# Altium PCB R32-Micro.PcbDoc (part 2 of 3)
Units mm, origin at the board's own origin, x right, y up, seen from the top; angles counter-clockwise.
Board outline 100 x 60 mm, 4 copper layers (Component Side, Ground Plane, Power Plane, Solder Side), stack 0.844 mm thick; 220 components, 197 nets, 1071 pads, 542 vias.
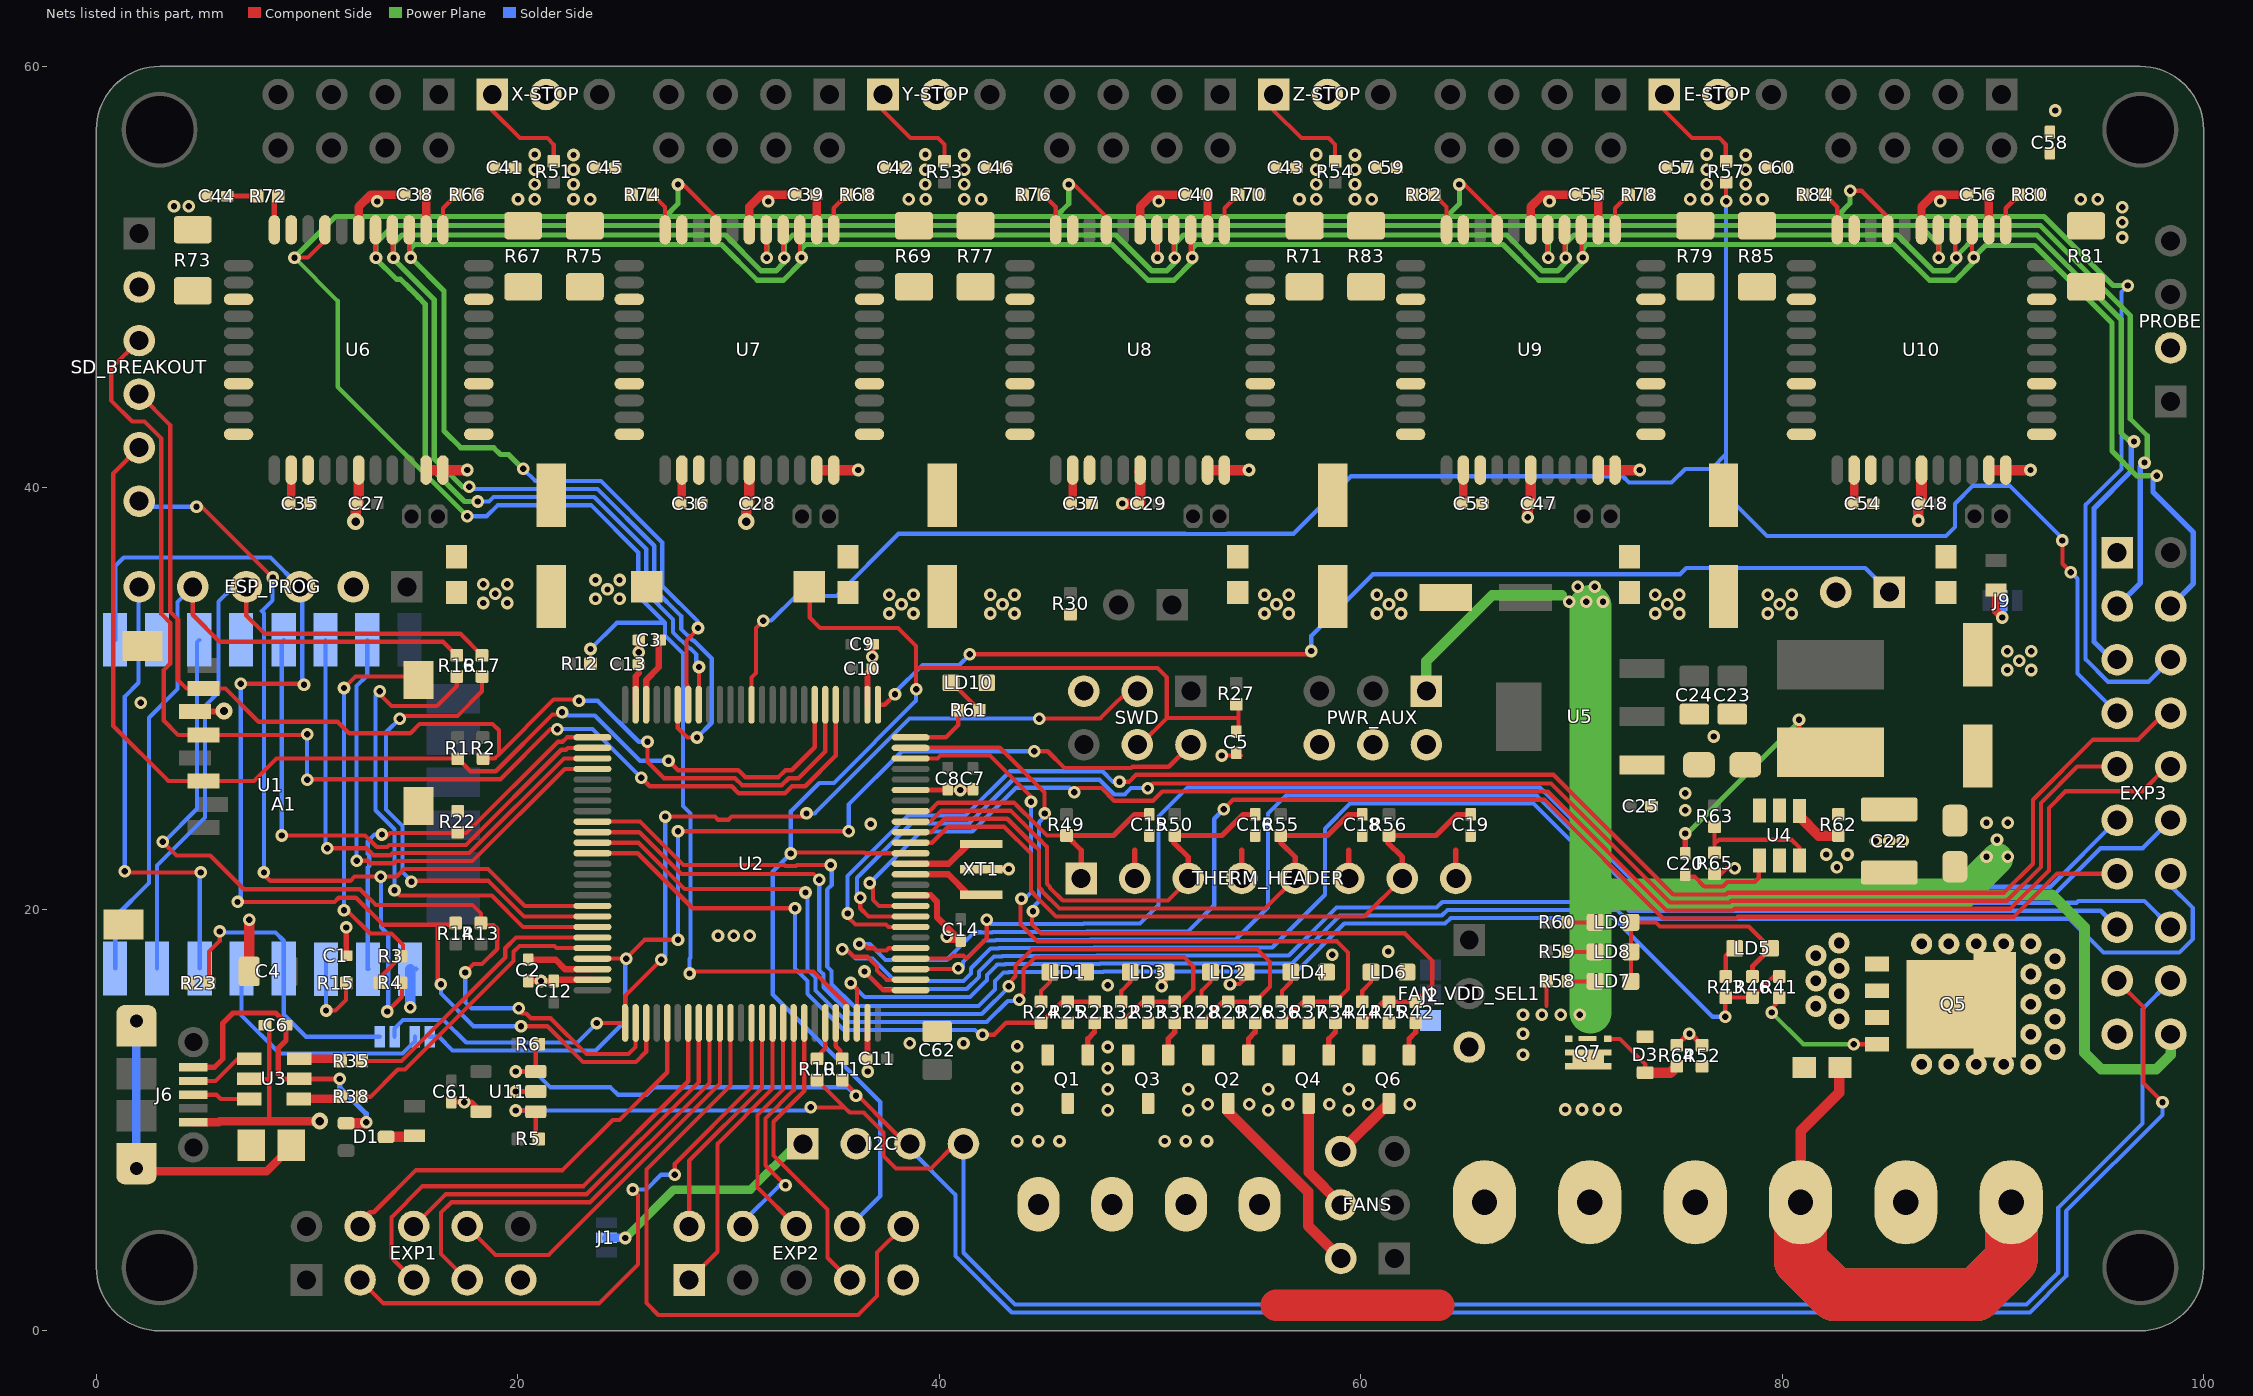
[diagram p4: the nets of this part, all layers, seen from the top]

## Via types
v1: diameter 0.6, hole 0.3, Component Side to Solder Side, tented both sides, 399 vias
v2: diameter 0.8, hole 0.4, Component Side to Solder Side, tented both sides, 132 vias
v3: diameter 1, hole 0.5, Component Side to Solder Side, tented both sides, 11 vias

## Nets (pads, with @x,y where several pads share a name; then routed paths per layer and width w, separated by ;. In a path a pad name is that pad's centre, name@x,y a point inside that pad or via, vN(x,y) a via of type N, cw(c..) or ccw(c..) an arc to the next point about the centre after c; other vN are vias at no path point) (continued)
E2_CS: EXP3.10 U2.9 | length 73.9
  Component Side w0.2: v1(36.7,21.25) 36.85,21.1 36.85,20.45 37.14,20.16 U2.9@38.64,20.16 ; v1(46.4,25.55) 46.6,25.75 47.7,25.75 48.3,25.15 50.149,25.15 50.582,25.584 68.879,25.584 74.518,19.944 77.655,19.944 77.74,20.03 90.843,20.03 92.66,21.847 92.66,24.81 93.45,25.6 97.1,25.6 98.27,26.77 EXP3.10@98.44,26.77
  Solder Side w0.2: v1(36.7,21.25) 39.14,23.69 41.565,23.69 43.645,25.77 46.18,25.77 v1(46.4,25.55)
E2_DIR: EXP3.9 U2.8 | length 73.1
  Component Side w0.2: v1(36.25,20.55) 36.25,20.05 36.64,19.66 U2.8@38.64,19.66 ; v1(49.9,25.75) 50.114,25.964 69.036,25.964 74.676,20.324 77.497,20.324 77.583,20.41 90.685,20.41 92.28,22.005 92.28,25.043 94.007,26.77 EXP3.9@95.9,26.77
  Solder Side w0.2: v1(36.25,20.55) 36.1,20.7 36.1,21.499 38.671,24.07 41.407,24.07 43.487,26.15 47.601,26.15 48.301,25.45 48.799,25.45 49.099,25.75 v1(49.9,25.75)
E2_STEP: EXP3.8 U2.7 | length 78
  Component Side w0.2: v1(35.651,19.8) 35.651,19.649 36.02,19.28 37.469,19.28 37.589,19.16 U2.7@38.64,19.16 ; v1(48.55,26.05) 49,26.05 49.333,26.383 69.154,26.383 74.833,20.704 77.34,20.704 77.426,20.79 90.528,20.79 91.9,22.162 91.9,25.2 94.75,28.05 96.9,28.05 98.16,29.31 EXP3.8@98.44,29.31
  Solder Side w0.2: v1(35.651,19.8) 35.65,19.801 35.65,21.586 38.514,24.45 41.25,24.45 43.35,26.55 47.739,26.55 48.239,26.05 v1(48.55,26.05)
E3_CS: EXP3.13 U2.5 | length 71.4
  Component Side w0.2: v1(36.2,18.35) 36.4,18.35 36.6,18.15 36.901,18.15 37.001,18.05 37.499,18.05 37.599,18.15 38.63,18.15 U2.5@38.64,18.16 ; v1(53.5,24.75) 53.954,25.204 68.722,25.204 74.361,19.564 77.812,19.564 77.898,19.65 91,19.65 93.04,21.69 EXP3.13@95.9,21.69
  Solder Side w0.2: v1(36.2,18.35) 36.701,18.35 37.451,17.6 40.35,17.6 41.657,18.907 41.995,18.907 42.001,18.9 42.499,18.9 42.519,18.92 46.984,18.92 47.014,18.95 51.8,18.95 53.05,20.2 53.05,24.3 v1(53.5,24.75)
E3_DIR: EXP3.12 U2.3 | length 69.4
  Component Side w0.2: U2.3@38.64,17.16 40.86,17.16 v1(40.9,17.2)
  Solder Side w0.2: v1(40.9,17.2) 41.05,17.2 41.12,17.27 41.12,17.495 42.104,18.479 42.117,18.479 42.159,18.52 42.656,18.52 42.676,18.54 47.142,18.54 47.172,18.57 54.07,18.57 55.6,20.1 55.6,24.55 56.45,25.4 68.35,25.4 73.06,20.69 92.897,20.69 95.107,22.9 97.11,22.9 EXP3.12@98.44,24.23
E3_STEP: EXP3.11 U2.4 | length 67.2
  Component Side w0.2: U2.4@38.64,17.66 40.511,17.66 40.651,17.8 41.149,17.8 41.289,17.66 41.31,17.66 42.25,18.6 v1(42.25,19.5)
  Solder Side w0.2: v1(42.25,19.5) 42.45,19.3 46.827,19.3 46.857,19.33 49.53,19.33 50.4,20.2 50.4,24.4 51.78,25.78 68.507,25.78 73.217,21.07 92.74,21.07 EXP3.11@95.9,24.23
E4_CS: EXP3.16 U2.2 | length 75.4
  Component Side w0.2: v1@35.601,18.1 35.951,17.75 36.599,17.75 37.05,17.299 37.05,17.1 37.49,16.66 U2.2@38.64,16.66
  Solder Side w0.2: v1(35.4,18.1) 35.602,18.1 36.031,17.67 36.83,17.67 37.9,16.6 39.85,16.6 41.149,16.6 41.5,16.951 41.5,17.2 42.44,18.14 42.813,18.14 42.833,18.16 47.299,18.16 47.329,18.19 55.803,18.19 58.3,20.687 58.3,23.82 59.5,25.02 68.192,25.02 72.902,20.31 93.965,20.31 94.055,20.4 97.19,20.4 EXP3.16@98.44,19.15
E4_DIR: EXP3.15 U2.1 | length 64.7
  Component Side w0.2: v1(36.45,17.05) 37.34,16.16 U2.1@38.64,16.16
  Solder Side w0.2: v1(36.45,17.05) 37.28,16.22 41.306,16.22 41.88,16.794 41.88,17.043 42.597,17.76 42.971,17.76 42.991,17.78 47.457,17.78 47.487,17.81 56.585,17.81 58.855,20.08 63.6,20.08 63.872,20.352 72.323,20.352 72.745,19.93 95.12,19.93 EXP3.15@95.9,19.15
E4_STEP: EXP3.14 U2.98 | length 72.7
  Component Side w0.2: v1(35.8,16.5) 36.09,16.21 U2.98@36.09,14.61
  Solder Side w0.2: v1(35.8,16.5) 36.46,15.84 41.463,15.84 42.26,16.637 42.26,16.885 42.755,17.38 43.128,17.38 43.148,17.4 47.614,17.4 47.644,17.43 56.743,17.43 59.013,19.7 63.847,19.7 64.119,19.972 72.165,19.972 72.587,19.55 93.65,19.55 95.25,17.95 98.85,17.95 99.49,18.59 99.49,20.06 98.386,21.164 98.15,21.4 EXP3.14@98.44,21.69
E_STOP: EXP3.7 R57.1 U2.38 | length 97.5
  Component Side w0.2: U2.38@31.09,29.71 31.09,31 31.3,31.21 31.3,33.35 v1(31.65,33.7) ; v1(77.342,53.6) R57.1@77.342,54.5 ; v1(93.3,37.5) 93.3,36.4 v1(93.7,36)
  Solder Side w0.2: v1(31.65,33.7) 32.027,33.7 33.197,34.87 35.118,34.87 38.072,37.824 51.67,37.824 51.689,37.805 53.658,37.805 53.673,37.82 56.807,37.82 59.537,40.55 72.436,40.55 72.736,40.25 74.751,40.25 75.401,40.9 76.642,40.9 77.342,41.6 ; v1(77.342,53.6) 77.342,41.6 ; v1(93.3,37.5) 93.4,37.4 93.5,37.4 90.796,40.104 89.055,40.104 88.2,39.249 88.2,38.142 87.778,37.72 79.28,37.72 77.342,39.658 77.342,41.6 ; v1(93.7,36) 94.015,35.685 94.015,31.195 EXP3.7@95.9,29.31
ESP_ADC: A1.2
ESP_DATA_RDY: A1.18 J4.2 R23.2 | length 14.4
  Component Side w0.2: R23.2@5.35,16.5 5.35,18 5.85,18.5 v1(5.85,18.95)
  Solder Side w0.2: v1(5.85,18.95) 5.9,18.9 8.5,18.9 8.893,18.507 A1.18@8.893,17.191 8.893,15.007 9.95,13.95 J4.2@13.45,13.95
ESP_EN: A1.3 R13.1 U2.77 | length 43
  Component Side w0.2: v1(3.15,23.2) 3.8,22.55 5.4,22.55 7,20.95 12.51,20.95 13.26,20.2 17.85,20.2 18.25,19.8 R13.1@18.25,19.35 18.35,19.25 18.85,19.25 19.02,19.08 19.02,18.123 18.297,17.4 17.9,17.4 v1(17.5,17) ; v1(20.05,15.3) 20.05,15.2 20.2,15.05 20.399,15.05 20.619,14.83 21.557,14.83 23.257,13.13 25.25,13.13 25.59,13.47 U2.77@25.59,14.61
  Solder Side w0.2: v1(3.15,23.2) 3.2,23.2 4.77,24.77 4.77,32.677 A1.3@4.879,32.786 ; v1(17.5,17) 17.5,15.6 17.8,15.3 v1(20.05,15.3)
ESP_GPIO5: A1.20 ESP_PROG.6 | length 22
  Component Side w0.2: v1(1.35,21.8) 1.4,21.75 v1(4.95,21.75)
  Solder Side w0.2: v1(1.35,21.8) 1.35,30.1 2.001,30.751 2.001,35.306 ESP_PROG.6@2.032,35.306 ; A1.20@4.905,17.191 4.905,21.705 v1(4.95,21.75)
ESP_GPIO16: A1.4
ESP_RST: A1.1 ESP_PROG.3 R14.1 U2.78 | length 58.2
  Component Side w0.2: v1(6.7,20.35) 11.301,20.35 11.501,20.55 12.313,20.55 13.593,19.27 16.2,19.27 ; v1(6.85,30.7) 9.8,30.7 v1(9.85,30.65) ; v1(16.35,16.45) 16.2,16.6 16.2,19.27 ; R14.1@17.05,19.35 16.97,19.27 16.2,19.27 ; v1(20.15,14.45) 21.4,14.45 23.1,12.75 25.6,12.75 26.09,13.24 U2.78@26.09,14.61
  Solder Side w0.2: A1.1@0.892,32.786 0.892,36.292 1.3,36.7 8.258,36.7 ESP_PROG.3@9.652,35.306 9.764,35.306 9.764,30.736 v1(9.85,30.65) ; v1(6.7,20.35) 6.85,20.5 v1(6.85,30.7) ; v1(16.35,16.45) 16.35,16 17.9,14.45 v1(20.15,14.45)
ESP_RX: R16.2 U2.69 | length 25
  Component Side w0.2: v1(13.45,30.35) 13.45,30.2 14,29.65 16.15,29.65 17.1,30.6 R16.2@17.1,31.05 ; v1(14.15,20.9) 14.4,20.65 18.763,20.65 20.253,19.16 U2.69@23.54,19.16
  Solder Side w0.2: v1(13.45,30.35) 13.25,30.15 13.25,24.698 14.15,23.798 14.15,20.849 v1(14.15,20.9)
ESP_RXD0: A1.21 ESP_PROG.4 R17.1 | length 33.6
  Component Side w0.2: ESP_PROG.4@7.112,35.306 7.112,33.938 7.97,33.08 17.27,33.08 R17.1@18.3,32.05
  Solder Side w0.2: A1.21@2.873,17.191 2.873,22.073 5.15,24.35 5.15,29.65 5.8,30.3 5.8,34.6 6.506,35.306 ESP_PROG.4@7.112,35.306
ESP_SPI_CS: A1.16 R22.2 U2.51 | length 19.1
  Component Side w0.2: v1(13.55,23.55) 13.55,23.45 13.761,23.45 13.931,23.62 17.57,23.62 21.9,27.95 22.124,27.95 22.334,28.16 U2.51@23.54,28.16
  Solder Side w0.2: A1.16@12.9,17.165 A1.16@12.88,17.165 12.88,21.982 12.95,22.051 12.95,22.549 12.88,22.618 12.88,23.23 13.2,23.55 v1(13.55,23.55) v1@13.65,23.55
ESP_TX: R17.2 U2.68 | length 23
  Component Side w0.2: v1(14.4,29.05) 14.4,29.1 14.48,29.18 17.13,29.18 18.3,30.35 R17.2@18.3,31.05 R17.2@18.35,31 ; v1@14.95,21.35 18.6,21.35 20.29,19.66 U2.68@23.54,19.66
  Solder Side w0.2: v1(14.4,29.05) 13.75,28.4 13.75,24.736 14.53,23.956 14.53,21.77 v1@14.95,21.35
  other v1: 14.95,21.3
ESP_TXD0: A1.22 ESP_PROG.5 R16.1 | length 34.3
  Component Side w0.2: ESP_PROG.5@4.572,35.306 4.572,33.978 5.85,32.7 16.45,32.7 R16.1@17.1,32.05
  Solder Side w0.2: A1.22@0.892,17.191 0.892,19.649 2.493,21.25 2.493,29.093 3.85,30.45 3.85,34.584 ESP_PROG.5@4.572,35.306
F0_PWM: R26.1 R28.2 R29.1 U2.60 | length 45.7
  Component Side w0.2: U2.60@23.54,23.66 25.765,23.66 27.755,21.67 34.03,21.67 v1(34.3,21.4) ; v1@43.35,16.55 43.62,16.82 43.62,17.324 44.396,18.1 55.1,18.1 55.7,17.5 55.7,16.322 R26.1@54.991,15.613 R29.1@53.721,15.613 53.451,15.613 R28.2@52.451,14.613
  Solder Side w0.2: v1(34.3,21.4) 34.3,17.123 34.51,16.913 34.51,16.303 35.783,15.03 42.017,15.03 43.35,16.363 v1@43.35,16.55
  other v1: 43.3,16.35
F1_PWM: R34.1 R36.2 R37.1 U2.23 | length 34.5
  Component Side w0.2: U2.23@38.64,27.16 39.915,27.16 40.055,27.3 42.4,27.3 44.35,25.35 v1(44.35,25.1) ; v1(43.9,20.5) 43.85,20.45 43.85,19.295 44.665,18.48 58.868,18.48 59.4,17.948 59.4,16.212 R34.1@58.801,15.613 R37.1@57.531,15.613 57.261,15.613 R36.2@56.261,14.613
  Solder Side w0.2: v1@43.975,20.425 44.35,20.8 v1(44.35,25.1)
F2_PWM: R42.1 R44.2 R45.1 U2.24 | length 38.7
  Component Side w0.2: U2.24@38.64,27.66 38.64,27.68 42.871,27.68 45,25.551 v1(45,24.55) ; v1@44.4,19.7 44.4,19.283 44.823,18.86 62.09,18.86 63.4,17.55 63.4,16.402 R42.1@62.611,15.613 R45.1@61.341,15.613 61.071,15.613 R44.2@60.071,14.613
  Solder Side w0.2: v1@44.4,19.7 44.4,20.05 44.73,20.38 44.73,24.13 45,24.4 v1(45,24.55)
  other v1: 44.45,19.9
GND: A1.15 C1.1 C2.1 C3.1 C4.1 C5.1 C6.1 C7.1 C8.1 C9.1 C10.1 C11.1 C12.1 C13.1 C14.1 C15.1 C16.1 C18.1 C19.1 C21.2 C22.1 C23.1 C24.1 C25.1 C26.2 C27.1 C28.1 C29.1 C30.1 C31.2 C32.1 C33.2 C34.1 C38.1 C39.1 C40.1 C41.1 C42.1 C43.1 C44.1 C45.1 C46.1 C47.1 C48.1 C49.1 C50.2 C51.1 C52.2 C55.1 C56.1 C57.1 C58.1 C59.1 C60.1 C61.1 C62.1 D4.A E-STOP.2 ESP_PROG.2 EXP1.9 EXP2.9 EXP3.1 EXP3.19 I2C.2 J6.GND L1.2 LD1.2 LD2.2 LD3.2 LD4.2 LD5.2 LD6.2 LD7.2 LD8.2 LD9.2 LD10.2 MAIN-PWR1.1 PROBE.2 PS_ON.2 PWR_AUX.2 PWR_AUX.4 PWR_AUX.6 Q1.2 Q2.2 Q3.2 Q4.2 Q6.2 R22.1 R23.1 R25.2 R29.2 R30.1 R33.2 R37.2 R45.2 R46.2 R52.1 R64.1 R65.1 R67.1 R69.1 R71.1 R73.1 R75.1 R77.1 R79.1 R81.1 R83.1 R85.1 S1.2 SD_BREAKOUT.2 SWD.5 THERM_HEADER.2 THERM_HEADER.4 THERM_HEADER.6 THERM_HEADER.8 U1.6 U1.CD2 U1.MT1 U1.MT2 U2.10 U2.20 U2.27 U2.49 U2.74 U2.99 U3.2 U4.2 U5.GND U6.17 U6.21 U6.39 U6.43 U6.44 U7.17 U7.21 U7.39 U7.43 U7.44 U8.17 U8.21 U8.39 U8.43 U8.44 U9.17 U9.21 U9.39 U9.43 U9.44 U10.17 U10.21 U10.39 U10.43 U10.44 U11.2 U11.5 X-STOP.2 XT1.2 Y-STOP.2 Z-STOP.2 | length 104.7
  Component Side w0.2: U3.2@7.25,11.95 8.15,11.95 8.2,12 ; 8.2,9.95 8.2,12 ; C6.1@8.2,14.5 8.2,12 ; C1.1@11.7,17.8 C1.1@11.86,17.8 ; v1@50.5,16.35 50.761,16.611 LD3.2@50.761,17.018 ; v1(53.4,27.3) 54.325,27.3 C5.1@54.2,27.425 ; v1(53.8,16.45) 54.25,16.45 54.571,16.771 LD2.2@54.571,17.018 ; LD7.2@72.821,16.58 LD8.2@72.821,17.98 LD9.2@72.821,19.38 74.008,19.38 74.203,19.184 78.416,19.184 LD5.2@79.45,18.15 ; R65.1@76.793,21.584 76.993,21.584 77.359,21.95 v1(77.75,21.95)
  Component Side w0.25: C1.1@11.86,17.8 v1(11.86,19.14) v1@11.86,19.19 ; C61.1@16.85,10.85 17.8,10.85 U11.5@18.25,10.4 ; v1(19.9,11.35) U11.2@20.85,11.35 ; U2.20@38.64,25.66 v1(41,25.66) 41.46,25.66 C7.1@41.5,25.7 ; THERM_HEADER.2@49.276,21.463 49.276,22.804 ; THERM_HEADER.4@54.356,21.463 54.356,22.804 ; THERM_HEADER.6@59.436,21.463 59.436,22.804 ; THERM_HEADER.8@64.516,21.463 64.516,22.804 ; R64.1@75,13.55 v1@75.6,14.15 ; v1(75.6,14.1) v1@75.6,14.15 ; R52.1@76.2,13.55 75.625,14.125 v1@75.6,14.15 ; R46.2@78.595,16.81 78.595,17.295 LD5.2@79.45,18.15
  Component Side w0.3: U1.6@4.68,29.388 v2@6.078,29.388 ; C2.1@20.7,16.6 v1(21.1,16.6) C12.1@21.7,16.6 21.7,16.66 U2.74@23.54,16.66 ; U2.49@25.59,29.71 25.59,31.059 25.75,31.219 25.75,31.608 C13.1@25.74,31.618 v1(25.74,32.199) C3.1@25.74,32.78 C3.1@25.84,32.78 ; C11.1@36.425,12.9 C11.1@36.475,12.85 ; C11.1@36.525,12.9 36.525,12.325 v1@36.55,12.3 ; C11.1@36.59,12.9 U2.99@36.59,14.61 ; U2.27@36.59,29.71 36.59,31.194 36.816,31.42 v1(36.816,31.98) 36.816,32.546 C9.1@36.84,32.57 ; U2.10@38.64,20.66 39.597,20.66 39.89,20.367 39.89,19.624 C14.1@40.964,18.55 ; v1(40.35,18.7) 40.5,18.55 C14.1@40.964,18.55 ; C14.1@41.01,18.52 40.994,18.52 C14.1@40.964,18.55 ; XT1.2@41.706,21.91 v1@42.99,21.91
  Component Side w0.4: J6.GND@4.6,9.9 5.8,9.9 5.85,9.95 8.2,9.95 v2(10.6,9.95) ; U6.39@12.446,40.845 U6.39@12.446,40.909 ; U6.17@12.446,52.245 12.446,53.34 13.018,53.911 C38.1@14.613,53.911 ; U7.39@30.988,40.845 U7.39@30.988,40.909 ; U7.17@30.988,52.245 30.988,53.34 31.56,53.911 C39.1@33.155,53.911 ; U8.39@49.45,40.765 U8.39@49.53,40.845 ; U8.17@49.53,52.245 49.53,53.34 50.102,53.911 C40.1@51.697,53.911 ; U9.39@68.072,40.845 U9.39@68.072,40.909 ; U9.17@68.072,52.245 68.072,53.34 68.644,53.911 C55.1@70.239,53.911 ; U10.39@86.614,40.845 U10.39@86.614,40.909 ; U10.17@86.614,52.245 86.614,53.34 87.186,53.911 C56.1@88.781,53.911 ; U8.39@49.53,40.845 49.53,40.909 U8.39@49.53,40.845
  Component Side w0.5: C4.1@7.25,17.05 v1(7.25,19.5) ; v2(12.3,38.4) 12.3,39.216 C27.1@12.327,39.243 ; C27.1@12.365,39.243 12.446,39.324 U6.39@12.446,40.845 ; U6.43@15.654,40.845 U6.44@16.446,40.845 ; U6.44@16.454,40.845 17.611,40.845 17.607,40.85 v1(17.6,40.85) ; v2(30.842,38.4) 30.842,39.216 C28.1@30.869,39.243 ; C28.1@30.907,39.243 30.988,39.324 U7.39@30.988,40.845 ; U7.43@34.188,40.845 U7.44@34.988,40.845 36.153,40.845 v1(36.158,40.85) ; v1(48.68,39.26) 48.697,39.243 C29.1@49.357,39.243 ; C29.1@49.32,39.28 C29.1@49.357,39.243 ; C29.1@49.411,39.243 C29.1@49.357,39.243 ; C29.1@49.449,39.243 49.53,39.324 U8.39@49.53,40.845 ; U8.43@52.73,40.845 U8.44@53.53,40.845 54.695,40.845 v1(54.7,40.85) ; v1(67.926,38.6) 67.926,39.216 C47.1@67.953,39.243 ; C47.1@67.991,39.243 68.072,39.324 U9.39@68.072,40.845 ; U9.43@71.272,40.845 U9.44@72.072,40.845 73.237,40.845 v1(73.242,40.85) ; C24.1@75.937,29.262 C24.1@76.074,29.4 ; v1@86.468,38.4 v1(86.468,38.45) 86.468,39.216 C48.1@86.495,39.243 ; C48.1@86.533,39.243 86.614,39.324 U10.39@86.614,40.845 ; U10.43@89.814,40.845 U10.44@90.614,40.845 91.779,40.845 v1(91.784,40.85)
  Solder Side w0.25: A1.15@14.887,17.165 A1.15@15.15,17.165
  Solder Side w0.5: A1.15@14.887,17.165 14.887,15.363 v1(14.9,15.35)
  other v1: 47.999,10.462 51.809,10.462 55.619,10.462 59.429,10.462 43.7,10.5 17.45,10.85 47.999,11.462 51.809,11.462 55.619,11.462 59.429,11.462 43.7,11.5 36.6,12.3 47.999,12.462 43.7,12.5 47.999,13.462 43.7,13.5 38.6,13.65 41.15,13.65 50.55,16.35 48,16.4 58.65,17.85 61.3,18 29.5,18.75 30.25,18.75 31,18.75 43.29,21.91 82.6,22 82.1,22.6 83.1,22.6 84.447,23.241 85.082,23.241 85.717,23.241 36.75,24.05 75.4,24.7 75.4,25.5 76.75,28.2 2.1,29.8 90.679,31.355 91.822,31.355 91.25,31.8 90.679,32.244 91.822,32.244 37.633,34.036 38.776,34.036 42.427,34.036 43.57,34.036 55.436,34.036 56.579,34.036 60.77,34.036 61.913,34.036 73.978,34.036 75.121,34.036 79.312,34.036 80.455,34.036 38.205,34.48 42.999,34.48 56.007,34.48 61.341,34.48 74.549,34.48 79.883,34.48 18.352,34.536 19.495,34.536 23.686,34.736 24.829,34.736 37.633,34.925 38.776,34.925 42.427,34.925 43.57,34.925 55.436,34.925 56.579,34.925 60.77,34.925 61.913,34.925 73.978,34.925 75.121,34.925 79.312,34.925 80.455,34.925 18.923,34.98 24.257,35.18 18.352,35.425 19.495,35.425 23.686,35.625 24.829,35.625 96.139,51.882 96.139,52.601 96.138,53.319 3.683,53.367 4.381,53.367 13.335,53.594 31.877,53.594 50.419,53.594 68.961,53.594 87.503,53.594 20.008,53.704 20.808,53.704 22.642,53.704 23.442,53.704 38.55,53.704 39.35,53.704 41.184,53.704 41.984,53.704 57.092,53.704 57.892,53.704 59.726,53.704 60.526,53.704 75.634,53.704 76.434,53.704 78.268,53.704 79.068,53.704 94.176,53.704 94.976,53.704 20.801,54.402 22.642,54.402 39.343,54.402 41.184,54.402 57.885,54.402 59.726,54.402 76.427,54.402 78.268,54.402 20.801,55.101 22.642,55.101 39.343,55.101 41.184,55.101 57.885,55.101 59.726,55.101 76.427,55.101 78.268,55.101 20.8,55.819 22.642,55.799 39.342,55.819 41.184,55.799 57.884,55.819 59.726,55.799 76.426,55.819 78.268,55.799 92.964,57.912
  other v2: 6.056,29.41
H0_PWM: R21.1 R24.2 R25.1 U2.62 | length 30.1
  Component Side w0.2: U2.62@23.54,22.66 25.69,22.66 28.3,20.05 v1(33.15,20.05) ; v1(42.05,14.05) 42.612,14.05 43.175,14.613 R24.2@44.831,14.613 45.831,15.613 R25.1@46.101,15.613 R21.1@47.371,15.613
  Solder Side w0.2: v1(33.15,20.05) 33.15,17.199 33.75,16.599 33.75,15.988 35.468,14.27 41.7,14.27 41.92,14.05 v1(42.05,14.05)
H1_PWM: R31.1 R32.2 R33.1 U2.61 | length 41.7
  Component Side w0.2: U2.61@23.54,23.16 25.727,23.16 27.917,20.97 33.48,20.97 v1(33.65,20.8) ; v1@43.8,15.85 44,16.05 44,17.167 44.551,17.718 44.848,17.718 44.85,17.72 51.63,17.72 52.05,17.3 52.05,16.201 51.462,15.613 R31.1@51.181,15.613 R33.1@49.911,15.613 49.641,15.613 R32.2@48.641,14.613
  Solder Side w0.2: v1(33.65,20.8) 33.75,20.7 33.75,17.136 34.13,16.756 34.13,16.145 35.625,14.65 42.25,14.65 43.25,15.65 43.6,15.65 v1@43.8,15.85
  other v1: 43.8,15.7
HB_GND: C17.1 HB-PWR1.1 Q5.3 R52.2
  other v3: 82.7,14.8 81.6,15.4 82.7,16 81.6,16.6 82.7,17.2 81.6,17.8 82.7,18.4
HB_PWM: R41.1 R43.2 R46.1 U2.59 | length 68.7
  Component Side w0.2: U2.59@23.54,24.16 25.802,24.16 27.862,22.1 32.651,22.1 32.701,22.05 33.199,22.05 33.249,22.1 v1(34.85,22.1) ; v1(77.3,14.9) 77.3,15.785 R43.2@77.325,15.81 R46.1@78.595,15.81 79.595,16.81 R41.1@79.865,16.81
  Solder Side w0.2: v1(34.85,22.1) 34.9,22.05 34.9,21.151 34.68,20.931 34.68,17.281 34.89,17.071 34.89,16.46 35.94,15.41 41.86,15.41 42.65,16.2 42.65,16.599 43.051,17 43.286,17 43.306,17.02 47.771,17.02 47.801,17.05 56.95,17.05 59.22,19.32 64.005,19.32 64.277,19.592 72.008,19.592 76.7,14.9 v1(77.3,14.9)
KILL: EXP2.10 U2.86 | length 30.4
  Component Side w0.2: U2.86@30.09,14.61 30.09,11.64 26.1,7.65 26.1,1.313 26.663,0.75 36.15,0.75 37.05,1.65 37.05,3.706 EXP2.10@38.294,4.95
  Solder Side w0.2: EXP2.10@38.294,4.894 EXP2.10@38.294,4.95
LCD_D4: EXP1.5 U2.82 | length 22.9
  Component Side w0.2: EXP1.5@15.053,2.41 14,3.463 14,5.382 15.478,6.86 23.11,6.86 28.09,11.84 U2.82@28.09,14.61
LCD_D5: EXP1.6 U2.83 | length 19.2
  Component Side w0.2: EXP1.6@15.053,4.95 16.583,6.48 23.267,6.48 28.59,11.803 U2.83@28.59,14.61
LCD_D6: EXP1.7 U2.84 | length 21.8
  Component Side w0.2: EXP1.7@17.593,2.41 16.36,3.643 16.36,5.61 16.85,6.1 23.425,6.1 29.09,11.765 U2.84@29.09,14.61
LCD_D7: EXP1.8 U2.85 | length 18.8
  Component Side w0.2: EXP1.8@17.593,4.95 18.943,3.6 21.462,3.6 29.59,11.728 U2.85@29.59,14.61
LCD_EN: EXP1.3 U2.88 | length 28.7
  Component Side w0.2: EXP1.3@12.53,2.41 EXP1.3@12.513,2.41 13.623,1.3 23.85,1.3 25.7,3.15 25.7,6.45 v1(25.45,6.7) ; v1(27.45,7.4) 27.45,7.925 31.09,11.565 U2.88@31.09,14.18
  Solder Side w0.2: v1@25.5,6.75 v1(25.45,6.7) 26.1,6.7 26.8,7.4 v1(27.45,7.4)
LCD_RS: EXP1.4 U2.80 | length 20.1
  Component Side w0.2: EXP1.4@12.513,4.95 12.513,5.163 12.97,5.62 13.163,5.62 15.163,7.62 22.121,7.62 24.501,10 24.825,10 27.09,12.265 U2.80@27.09,14.61